# Altium PCB Minion.PcbDoc (part 8 of 10) (continued)
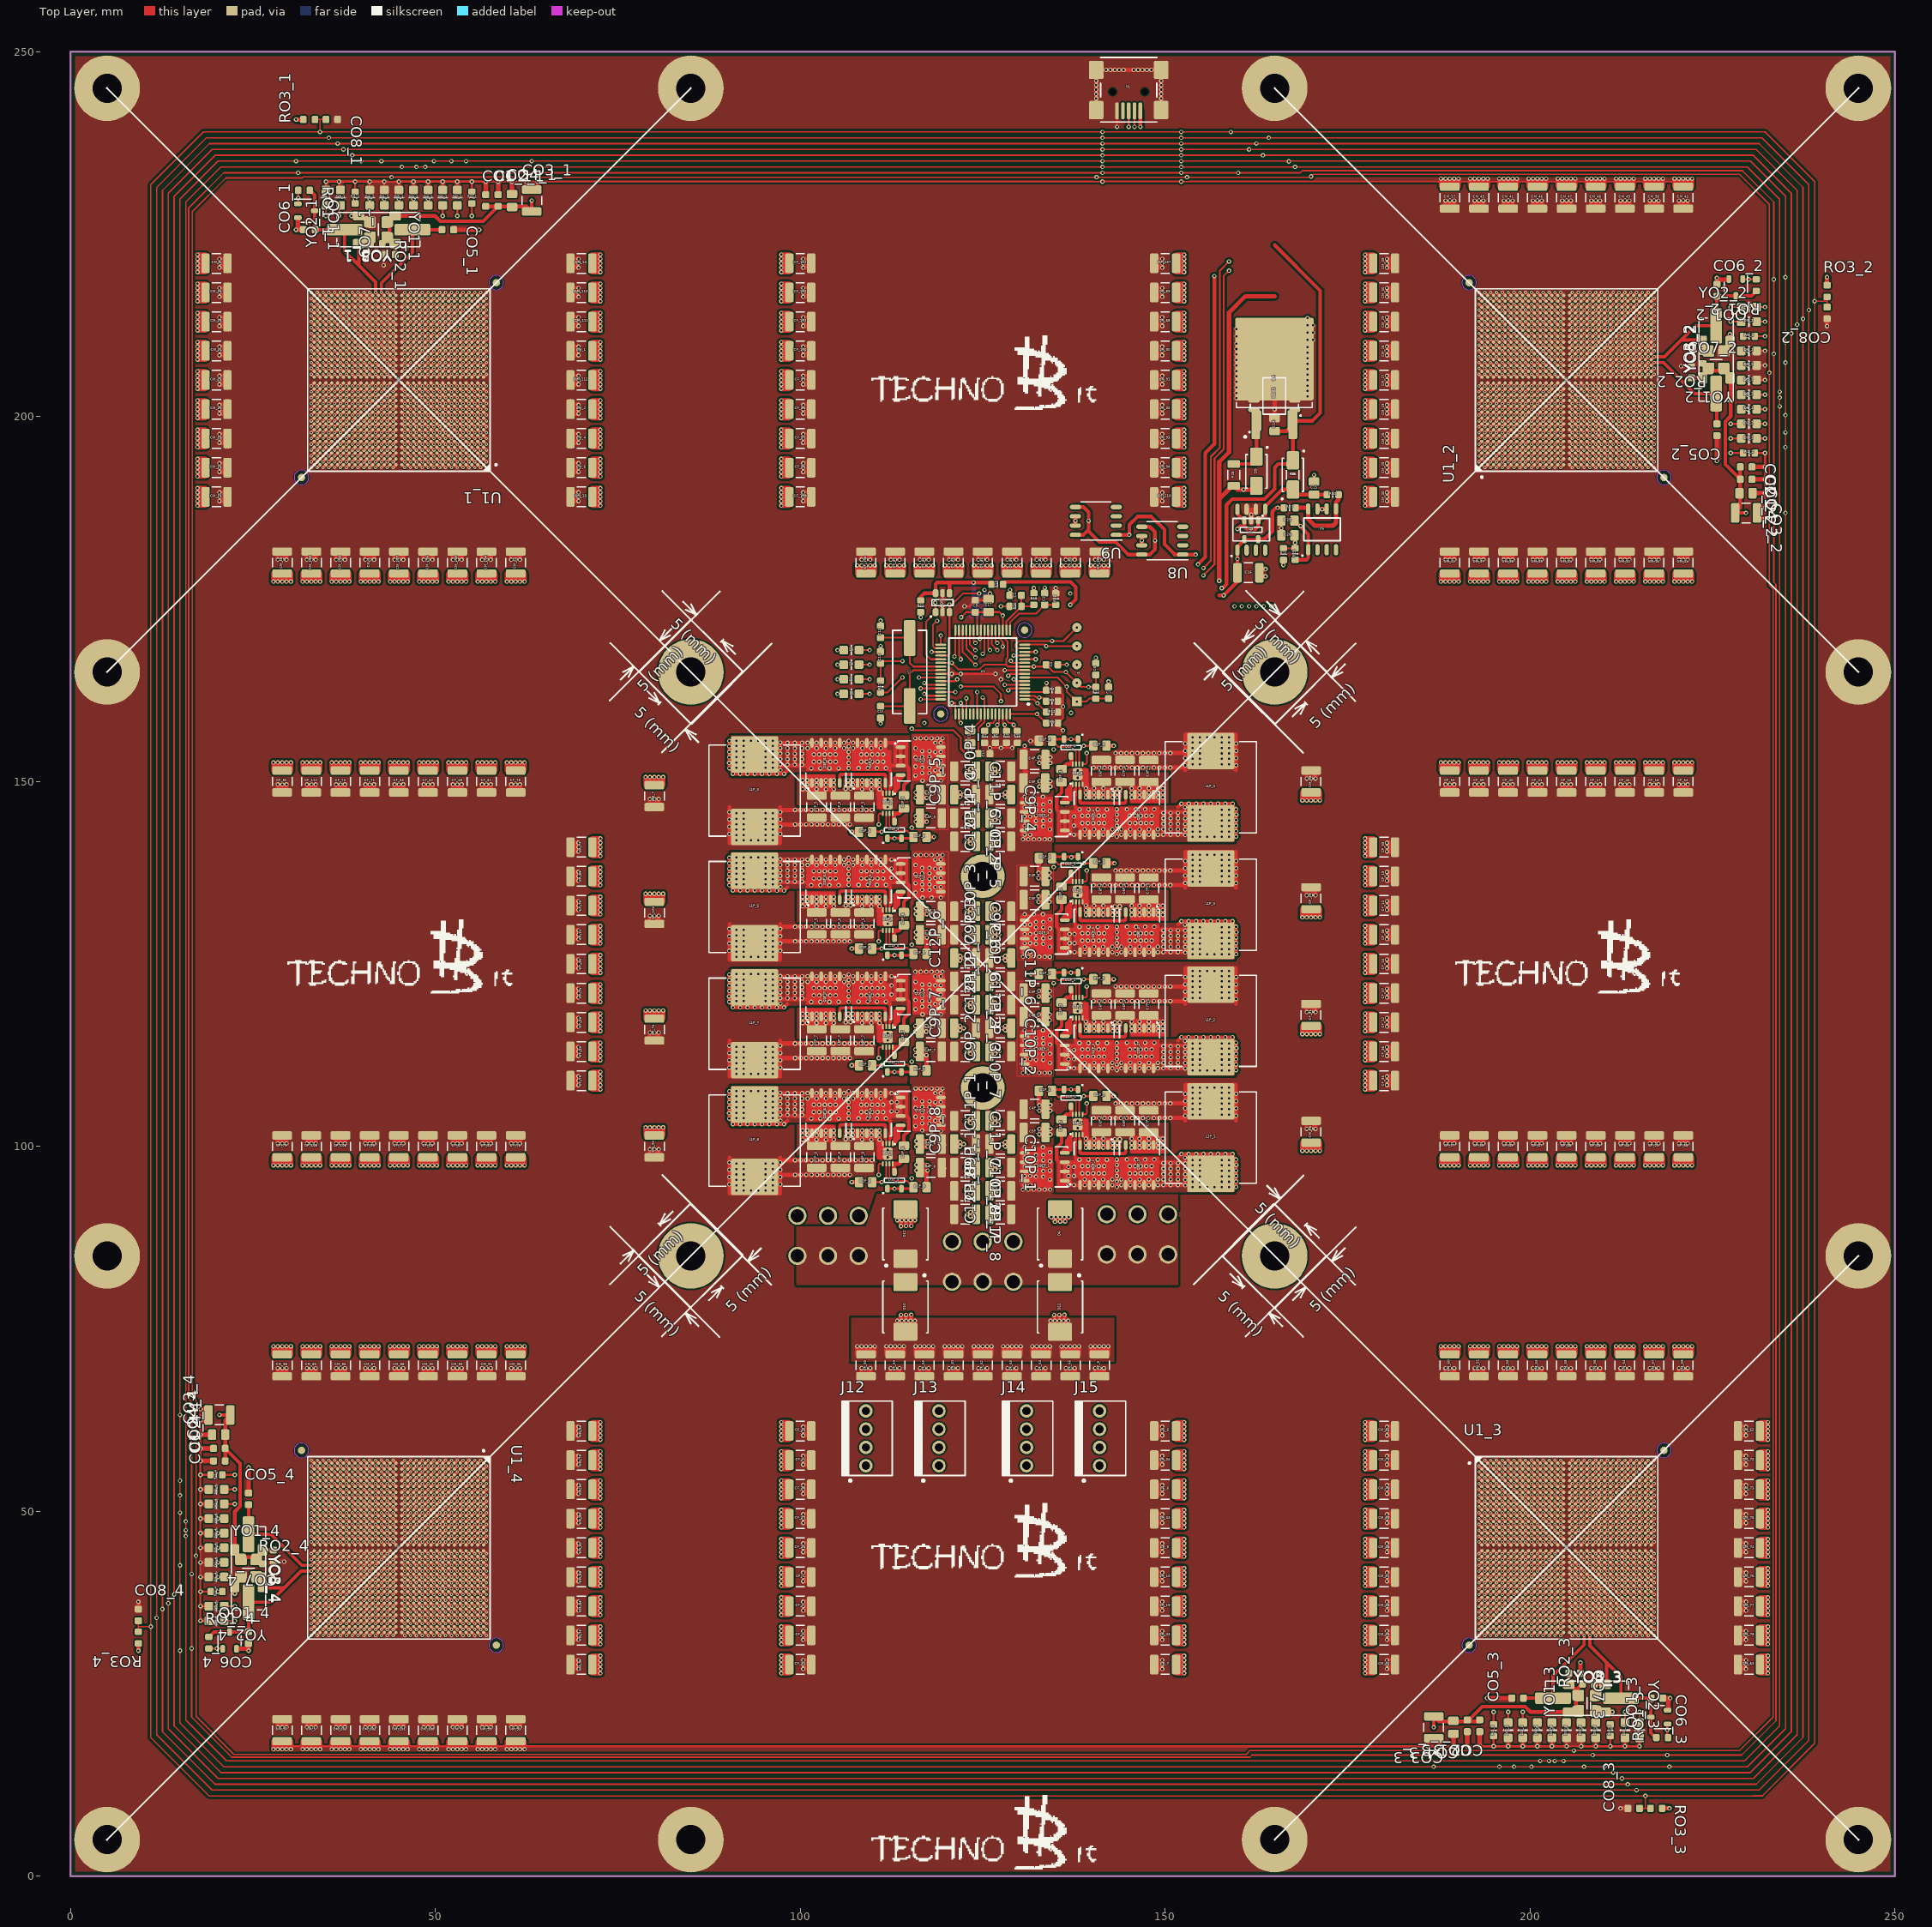
[diagram p0: Top Layer view]
## Nets (pads, with @x,y where several pads share a name; then routed paths per layer and width w, separated by ;. In a path a pad name is that pad's centre, name@x,y a point inside that pad or via, vN(x,y) a via of type N, cw(c..) or ccw(c..) an arc to the next point about the centre after c; other vN are vias at no path point) (continued)
GREEN: D2.2 U1.47 | length 12.6
  Top Layer w0.25: D2.2@108.05,164 v1(109.5,164) ; v1(117,162) 117.25,161.75 U1.47@119.25,161.75
  Mid-Top Layer w0.25: v1(109.5,164) 109.5,163.25 110.75,162 v1(117,162)
HO1: Q1P_1.4 U1P_1.1 | length 1.9
  Top Layer w0.25: 137,100.9 137,101 137.325,101.325 U1P_1.1@137.325,101.6
  Top Layer w0.45: 137,99.855 137,100.45 137,100.9
HO2: Q1P_2.4 U1P_2.1 | length 2.9
  Top Layer w0.45: Q1P_2.4@136.118,115.08 136.118,115.568 137,116.45 ; 137,116.25 137,117.4
HO3: Q1P_3.4 U1P_3.1 | length 2.9
  Top Layer w0.45: Q1P_3.4@136.118,130.98 136.118,131.468 137,132.35 ; 137,132.15 137,133.3
HO4: Q1P_4.4 U1P_4.1 | length 2.9
  Top Layer w0.45: Q1P_4.4@136.118,147.08 136.118,147.568 137,148.45 ; 137,148.25 137,149.4
HO5: Q1P_5.4 U1P_5.1 | length 1.9
  Top Layer w0.25: U1P_5.1@112.675,148.4 112.675,148.675 113,149 113,149.1
  Top Layer w0.45: 113,149.1 113,149.55 113,150.145
HO6: Q1P_6.4 U1P_6.1 | length 2.9
  Top Layer w0.45: 113,132.6 113,133.75 ; 113,133.55 113.882,134.432 Q1P_6.4@113.882,134.92
HO7: Q1P_7.4 U1P_7.1 | length 1.9
  Top Layer w0.25: U1P_7.1@112.675,116.4 112.675,116.675 113,117 113,117.1
  Top Layer w0.45: 113,117.1 113,117.55 113,118.145
HO8: Q1P_8.4 U1P_8.1 | length 2.9
  Top Layer w0.45: 113,100.6 113,101.75 ; 113,101.55 113.882,102.432 Q1P_8.4@113.882,102.92
INT_OUT1: DI4_1.2 U1_1.AK24 | length 13.1
  Top Layer w0.25: v1(35,227.5) DI4_1.2@35,228.95
  Mid-Bottom Layer w0.25: v1(35,227.5) 35,219.8 v2(37.8,217)
INT_OUT2: DI4_2.2 U1_2.AK24 | length 24.8
  Top Layer w0.25: v1(227.5,215) DI4_2.2@228.95,215
  Mid-Bottom Layer w0.25: 219.8,215 v2(217,212.2) 219.8,215 ; 219.8,215 v1(227.5,215) 219.8,215
INT_OUT3: DI4_3.2 U1_3.AK24 | length 24.8
  Top Layer w0.25: DI4_3.2@215,21.05 v1(215,22.5)
  Mid-Bottom Layer w0.25: 215,30.2 v2(212.2,33) 215,30.2 ; 215,30.2 v1(215,22.5) 215,30.2
INT_OUT4: DI4_4.2 U1_4.AK24 | length 24.8
  Top Layer w0.25: DI4_4.2@21.05,35 v1(22.5,35)
  Mid-Bottom Layer w0.25: 30.2,35 v1(22.5,35) 30.2,35 ; 30.2,35 v2(33,37.8) 30.2,35
LDO3.3V-5.0V: R27.2 R30.1 U6.5 U6.8 | length 11.5
  Top Layer w0.6: R27.2@167.862,187.5 169.445,187.5 U6.8@169.595,187.35 169.595,185.955 170.5,185.05 173,185.05 173.405,185.455 U6.5@173.405,187.35 173.405,188.255 173.762,188.612 R30.1@173.762,189.3
LDO5.0V: C15.1 D7.2 D8.1 R25.1 R26.2 R30.2 U3.1 U3.3 U7.5 U7.8 U8.5 U8.8 U9.5 U9.8 | length 99.2
  Top Layer w0.5: R25.1@127.8,177 128.15,177.35 137.05,177.35 137.75,176.65 137.75,174.95 v1(137,174.2) ; U9.8@137.7,183.795 138.795,183.795 139.5,184.5 v1(139.5,185.698) 139.5,186.895 138.79,187.605 U9.5@137.7,187.605 ; 139.4,184.4 141,182.8 143.2,182.8 144.905,181.095 U8.8@146.8,181.095 147.895,181.095 148.6,181.8 v1(148.6,182.997) 148.6,184.195 147.89,184.905 U8.5@146.8,184.905 ; v1(159.9,184.6) 160.245,184.945 160.855,184.945 ; U7.8@159.9,187.2 159.9,186.655 160.855,185.7 160.855,184.945 ; 163.71,186.419 163.71,187.71 166,190 D8.1@167.5,190 168.2,189.3 R30.2@172.162,189.3 ; U7.5@163.71,186.655 162.755,185.7 162.755,184.98 162.3,184.525 161.275,184.525 160.855,184.945
  Mid-Bottom Layer w0.5: v1(137,174.2) 158.2,174.2 159.9,175.9 159.9,178.075 160.8,178.975 160.8,181.525 159.9,182.425 v1(159.9,184.6) 150.202,184.6 v1(148.6,182.997)
LED_BUSY1: DI5_1.2 U1_1.AK8 | length 16.3
  Top Layer w0.25: DI5_1.2@45,228.95 v1(45,229.8)
  Mid-Bottom Layer w0.1: 51.1,217.9 51.4,217.6 51.4,217.37 ; 51.398,217.378 51.398,217.372 51.4,217.37 ; v2(51.4,217) 51.4,217.37
  Mid-Bottom Layer w0.25: v1(45,229.8) 45,224 51.1,217.9
LED_BUSY2: DI5_2.2 U1_2.AK8 | length 29.5
  Top Layer w0.25: DI5_2.2@228.95,205 v1(229.8,205)
  Mid-Bottom Layer w0.1: 217.37,198.6 217.6,198.6 ; 217.37,198.6 217.372,198.602 ; 217.37,198.6 v2(217,198.6) 217.37,198.6 ; 217.37,198.6 217.6,198.6 ; 217.37,198.6 217.372,198.602 ; 217.372,198.602 217.378,198.602 217.372,198.602 ; 217.6,198.6 217.9,198.9 217.6,198.6
  Mid-Bottom Layer w0.25: 227.5,205 224,205 ; v1(229.8,205) 224,205 ; 224,205 217.9,198.9 224,205
LED_BUSY3: DI5_3.2 U1_3.AK8 | length 29.5
  Top Layer w0.25: v1(205,20.2) DI5_3.2@205,21.05
  Mid-Bottom Layer w0.1: 198.6,32.4 198.9,32.1 198.6,32.4 ; 198.6,32.4 198.6,32.63 ; 198.6,32.4 198.6,32.63 ; 198.6,32.63 198.602,32.628 ; 198.6,32.63 v2(198.6,33) 198.6,32.63 ; 198.6,32.63 198.602,32.628 ; 198.602,32.628 198.602,32.622 198.602,32.628
  Mid-Bottom Layer w0.25: v1(205,20.2) 205,26 ; 205,22.5 205,26 ; 205,26 198.9,32.1 205,26
LED_BUSY4: DI5_4.2 U1_4.AK8 | length 29.5
  Top Layer w0.25: v1(20.2,45) DI5_4.2@21.05,45
  Mid-Bottom Layer w0.1: 32.4,51.4 32.63,51.4 ; 32.4,51.4 32.1,51.1 32.4,51.4 ; 32.4,51.4 32.63,51.4 ; 32.628,51.398 32.63,51.4 ; 32.628,51.398 32.622,51.398 32.628,51.398 ; 32.628,51.398 32.63,51.4 ; 32.63,51.4 v2(33,51.4) 32.63,51.4
  Mid-Bottom Layer w0.25: v1(20.2,45) 26,45 ; 22.5,45 26,45 ; 26,45 32.1,51.1 26,45
LED_CLK1: DI7_1.2 U1_1.AK5 | length 12.3
  Top Layer w0.25: v1(53,227.5) DI7_1.2@53,228.95
  Mid-Bottom Layer w0.2: v2(53.8,217) 53.8,218.2
  Mid-Bottom Layer w0.25: v1(53,227.5) 53,219 53.8,218.2
LED_CLK2: DI7_2.2 U1_2.AK5 | length 23.1
  Top Layer w0.25: v1(227.5,197) DI7_2.2@228.95,197
  Mid-Bottom Layer w0.2: v2(217,196.2) 218.2,196.2 v2(217,196.2)
  Mid-Bottom Layer w0.25: 219,197 218.2,196.2 219,197 ; 219,197 v1(227.5,197) 219,197
LED_CLK3: DI7_3.2 U1_3.AK5 | length 23.1
  Top Layer w0.25: DI7_3.2@197,21.05 v1(197,22.5)
  Mid-Bottom Layer w0.2: 196.2,31.8 v2(196.2,33) 196.2,31.8
  Mid-Bottom Layer w0.25: 197,31 196.2,31.8 197,31 ; 197,31 v1(197,22.5) 197,31
LED_CLK4: DI7_4.2 U1_4.AK5 | length 23.1
  Top Layer w0.25: DI7_4.2@21.05,53 v1(22.5,53)
  Mid-Bottom Layer w0.2: 31.8,53.8 v2(33,53.8) 31.8,53.8
  Mid-Bottom Layer w0.25: 31,53 v1(22.5,53) 31,53 ; 31,53 31.8,53.8 31,53
LED_HOT1: DI3_1.2 U1_1.AJ7 | length 16.6
  Top Layer w0.25: DI3_1.2@47,228.95 v1(47,229.8)
  Mid-Bottom Layer w0.1: 51.3,218.37 51.8,217.87 51.8,216.6 v2(52.2,216.2)
  Mid-Bottom Layer w0.25: v1(47,229.8) 47,222.67 51.3,218.37
LED_HOT2: DI3_2.2 U1_2.AJ7 | length 30.1
  Top Layer w0.25: DI3_2.2@228.95,203 v1(229.8,203)
  Mid-Bottom Layer w0.1: 216.6,198.2 217.87,198.2 ; 216.6,198.2 v2(216.2,197.8) 216.6,198.2 ; 216.6,198.2 217.87,198.2 ; 217.87,198.2 218.37,198.7 217.87,198.2
  Mid-Bottom Layer w0.25: 227.5,203 222.67,203 ; v1(229.8,203) 222.67,203 ; 222.67,203 218.37,198.7 222.67,203
LED_HOT3: DI3_3.2 U1_3.AJ7 | length 30.1
  Top Layer w0.25: v1(203,20.2) DI3_3.2@203,21.05
  Mid-Bottom Layer w0.1: 198.2,32.13 198.2,33.4 ; 198.2,32.13 198.7,31.63 198.2,32.13 ; 198.2,32.13 198.2,33.4 ; 198.2,33.4 v2(197.8,33.8) 198.2,33.4
  Mid-Bottom Layer w0.25: v1(203,20.2) 203,27.33 ; 203,22.5 203,27.33 ; 203,27.33 198.7,31.63 203,27.33
LED_HOT4: DI3_4.2 U1_4.AJ7 | length 30.1
  Top Layer w0.25: v1(20.2,47) DI3_4.2@21.05,47
  Mid-Bottom Layer w0.1: 32.13,51.8 31.63,51.3 32.13,51.8 ; 32.13,51.8 33.4,51.8 ; 32.13,51.8 33.4,51.8 ; 33.4,51.8 v2(33.8,52.2) 33.4,51.8
  Mid-Bottom Layer w0.25: v1(20.2,47) 27.33,47 ; 22.5,47 27.33,47 ; 27.33,47 31.63,51.3 27.33,47
LED_IDLE1: DI1_1.2 U1_1.AJ8 | length 17.9
  Top Layer w0.25: DI1_1.2@43,228.95 v1(43,229.8)
  Mid-Bottom Layer w0.1: 50.6,217.7 51,217.3 51,216.6 v2(51.4,216.2)
  Mid-Bottom Layer w0.25: v1(43,229.8) 43,225.3 50.6,217.7
LED_IDLE2: DI1_2.2 U1_2.AJ8 | length 32.7
  Top Layer w0.25: DI1_2.2@228.95,207 v1(229.8,207)
  Mid-Bottom Layer w0.1: 216.6,199 217.3,199 ; 216.6,199 v2(216.2,198.6) 216.6,199 ; 216.6,199 217.3,199 ; 217.3,199 217.7,199.4 217.3,199
  Mid-Bottom Layer w0.25: 227.5,207 225.3,207 ; v1(229.8,207) 225.3,207 ; 225.3,207 217.7,199.4 225.3,207
LED_IDLE3: DI1_3.2 U1_3.AJ8 | length 32.7
  Top Layer w0.25: v1(207,20.2) DI1_3.2@207,21.05
  Mid-Bottom Layer w0.1: 199,32.7 199.4,32.3 199,32.7 ; 199,32.7 199,33.4 ; 199,32.7 199,33.4 ; 199,33.4 v2(198.6,33.8) 199,33.4
  Mid-Bottom Layer w0.25: v1(207,20.2) 207,24.7 ; 207,22.5 207,24.7 ; 207,24.7 199.4,32.3 207,24.7
LED_IDLE4: DI1_4.2 U1_4.AJ8 | length 32.7
  Top Layer w0.25: v1(20.2,43) DI1_4.2@21.05,43
  Mid-Bottom Layer w0.1: 32.7,51 33.4,51 ; 32.7,51 32.3,50.6 32.7,51 ; 32.7,51 33.4,51 ; 33.4,51 v2(33.8,51.4) 33.4,51
  Mid-Bottom Layer w0.25: v1(20.2,43) 24.7,43 ; 22.5,43 24.7,43 ; 24.7,43 32.3,50.6 24.7,43
LED_NONCE1: DI8_1.2 U1_1.AK7 | length 15
  Top Layer w0.25: DI8_1.2@49,228.95 v1(49,229.8)
  Mid-Bottom Layer w0.25: v1(49,229.8) 49,221.47 52.2,218.27 v2(52.2,217)
LED_NONCE2: DI8_2.2 U1_2.AK7 | length 26.8
  Top Layer w0.25: DI8_2.2@228.95,201 v1(229.8,201)
  Mid-Bottom Layer w0.25: 227.5,201 221.47,201 ; v1(229.8,201) 221.47,201 ; 218.27,197.8 v2(217,197.8) 218.27,197.8 ; 218.27,197.8 221.47,201 ; 218.27,197.8 221.47,201
LED_NONCE3: DI8_3.2 U1_3.AK7 | length 26.8
  Top Layer w0.25: v1(201,20.2) DI8_3.2@201,21.05
  Mid-Bottom Layer w0.25: v1(201,20.2) 201,28.53 ; 201,22.5 201,28.53 ; 197.8,31.73 v2(197.8,33) 197.8,31.73 ; 197.8,31.73 201,28.53 ; 197.8,31.73 201,28.53
LED_NONCE4: DI8_4.2 U1_4.AK7 | length 26.8
  Top Layer w0.25: v1(20.2,49) DI8_4.2@21.05,49
  Mid-Bottom Layer w0.25: v1(20.2,49) 28.53,49 ; 22.5,49 28.53,49 ; 28.53,49 31.73,52.2 ; 28.53,49 31.73,52.2 ; 31.73,52.2 v2(33,52.2) 31.73,52.2
LED_POWER1: DI6_1.2 U1_1.AK9 | length 17.6
  Top Layer w0.25: DI6_1.2@41,228.95 v1(41,229.8)
  Mid-Bottom Layer w0.2: v1(41,229.8) 41,226.6 v2(50.6,217)
LED_POWER2: DI6_2.2 U1_2.AK9 | length 32.1
  Top Layer w0.25: DI6_2.2@228.95,209 v1(229.8,209)
  Mid-Bottom Layer w0.2: 227.5,209 226.6,209 ; v1(229.8,209) 226.6,209 ; 226.6,209 v2(217,199.4) 226.6,209
LED_POWER3: DI6_3.2 U1_3.AK9 | length 17.9
  Top Layer w0.25: v1(209,20.2) DI6_3.2@209,21.05
  Mid-Bottom Layer w0.2: v2(199.4,33) 209,23.4 209,20.4 208.8,20.2 v1(209,20.2)
LED_POWER4: DI6_4.2 U1_4.AK9 | length 31.2
  Top Layer w0.25: v1(20.2,41) DI6_4.2@21.05,41
  Mid-Bottom Layer w0.2: v1(20.2,41) 23.4,41 ; 23.4,41 v2(33,50.6) 23.4,41
LED_SPI1: DI2_1.2 U1_1.AJ5 | length 13.9
  Top Layer w0.25: v1(51,227.5) DI2_1.2@51,228.95
  Mid-Bottom Layer w0.1: 53.2,218 53.4,217.8 53.4,216.6 v2(53.8,216.2)
  Mid-Bottom Layer w0.25: v1(51,227.5) 51,220.2 53.2,218
LED_SPI2: DI2_2.2 U1_2.AJ5 | length 26.4
  Top Layer w0.25: v1(227.5,199) DI2_2.2@228.95,199
  Mid-Bottom Layer w0.1: 216.6,196.6 217.8,196.6 ; 216.6,196.6 v2(216.2,196.2) 216.6,196.6 ; 216.6,196.6 217.8,196.6 ; 217.8,196.6 218,196.8 217.8,196.6
  Mid-Bottom Layer w0.25: 220.2,199 218,196.8 220.2,199 ; 220.2,199 v1(227.5,199) 220.2,199
LED_SPI3: DI2_3.2 U1_3.AJ5 | length 26.4
  Top Layer w0.25: DI2_3.2@199,21.05 v1(199,22.5)
  Mid-Bottom Layer w0.1: 196.6,32.2 196.6,33.4 ; 196.6,32.2 196.8,32 196.6,32.2 ; 196.6,32.2 196.6,33.4 ; 196.6,33.4 v2(196.2,33.8) 196.6,33.4
  Mid-Bottom Layer w0.25: 199,29.8 196.8,32 199,29.8 ; 199,29.8 v1(199,22.5) 199,29.8
LED_SPI4: DI2_4.2 U1_4.AJ5 | length 26.4
  Top Layer w0.25: DI2_4.2@21.05,51 v1(22.5,51)
  Mid-Bottom Layer w0.1: 32.2,53.4 32,53.2 32.2,53.4 ; 32.2,53.4 33.4,53.4 ; 32.2,53.4 33.4,53.4 ; 33.4,53.4 v2(33.8,53.8) 33.4,53.4
  Mid-Bottom Layer w0.25: 29.8,51 v1(22.5,51) 29.8,51 ; 29.8,51 32,53.2 29.8,51
LM12V: D9.1 R28.1 U2.8 U4.1 U5.1 | length 8.6
  Top Layer w0.25: D9.1@162.4,193.5 D9.1@162.9,194
  Top Layer w0.5: R28.1@159.4,193.5 D9.1@162.4,193.5 ; U4.1@162.42,198.875 162.5,198.795 D9.1@162.5,194
LO1: Q2P_1.4 Q3P_1.4 U1P_1.3 | length 9.9
  Top Layer w0.25: U1P_1.3@138.225,101.6 138.225,100.326 Q2P_1.4@138.35,100.2
  Top Layer w0.45: Q2P_1.4@138.35,100.2 138.35,99.138 138.463,99.025 144.475,99.025 144.595,99.145 Q3P_1.4@144.595,100.15
LO2: Q2P_2.4 Q3P_2.4 U1P_2.3 | length 9.7
  Top Layer w0.25: Q2P_2.4@138.225,116.351 U1P_2.3@138.225,117.625
  Top Layer w0.45: Q2P_2.4@138.35,116.2 138.35,115.138 138.463,115.025 144.475,115.025 144.595,115.145 Q3P_2.4@144.595,116.15
LO3: Q2P_3.4 Q3P_3.4 U1P_3.3 | length 9.7
  Top Layer w0.25: Q2P_3.4@138.225,132.251 U1P_3.3@138.225,133.525
  Top Layer w0.45: Q2P_3.4@138.35,132.1 138.35,131.038 138.463,130.925 144.475,130.925 144.595,131.045 Q3P_3.4@144.595,132.05
LO4: Q2P_4.4 Q3P_4.4 U1P_4.3 | length 9.9
  Top Layer w0.25: U1P_4.3@138.225,149.6 138.225,148.326 Q2P_4.4@138.35,148.2
  Top Layer w0.45: Q2P_4.4@138.35,148.2 138.351,147.138 138.463,147.025 144.475,147.025 144.595,147.145 Q3P_4.4@144.595,148.15
LO5: Q2P_5.4 Q3P_5.4 U1P_5.3 | length 9.9
  Top Layer w0.25: Q2P_5.4@111.65,149.8 111.775,149.675 U1P_5.3@111.775,148.4
  Top Layer w0.45: Q3P_5.4@105.405,149.85 105.405,150.855 105.525,150.975 111.537,150.975 111.65,150.862 Q2P_5.4@111.65,149.8
LO6: Q2P_6.4 Q3P_6.4 U1P_6.3 | length 9.7
  Top Layer w0.25: U1P_6.3@111.775,132.375 Q2P_6.4@111.775,133.65
  Top Layer w0.45: Q3P_6.4@105.405,133.85 105.405,134.855 105.525,134.975 111.537,134.975 111.65,134.862 Q2P_6.4@111.65,133.8
LO7: Q2P_7.4 Q3P_7.4 U1P_7.3 | length 9.9
  Top Layer w0.25: Q2P_7.4@111.65,117.8 111.775,117.675 U1P_7.3@111.775,116.4
  Top Layer w0.45: Q3P_7.4@105.405,117.85 105.405,118.855 105.525,118.975 111.537,118.975 111.65,118.862 Q2P_7.4@111.65,117.8
LO8: Q2P_8.4 Q3P_8.4 U1P_8.3 | length 9.9
  Top Layer w0.25: Q2P_8.4@111.65,101.8 111.775,101.675 U1P_8.3@111.775,100.4
  Top Layer w0.45: Q3P_8.4@105.405,101.85 105.405,102.855 105.525,102.975 111.537,102.975 111.65,102.862 Q2P_8.4@111.65,101.8
"MAIN OSC IN": C12.1 U1.39 Y1.1 | length 11.9
  Top Layer w0.25: C12.1@111,169.7 114.95,169.7 Y1.1@115,169.65 115,166.25 115.5,165.75 U1.39@119.25,165.75
"MAIN OSC OUT": C13.1 U1.40 Y1.2 | length 12.9
  Top Layer w0.25: C13.1@111,160.3 114.95,160.3 Y1.2@115,160.35 115,164.75 115.5,165.25 U1.40@119.25,165.25
MCLR: C7.1 J1.1 R22.1 U1.7 | length 13.4
  Top Layer w0.254: U1.7@130.75,164.25 135.25,164.25 v1(136.5,163) 136.5,162.35 v1(137.9,160.95) 139.2,160.95 139.6,161.35 C7.1@142.25,161.35
MCU5.0V: R23.2 U1.34 | length 8
  Top Layer w0.25: v1(116.5,172.5) R23.2@116.5,173.2 ; v1(118.75,172) 118.175,171.425 118.175,168.553 118.478,168.25 U1.34@119.25,168.25
  Mid-Top Layer w0.25: v1(116.5,172.5) 117,172 v1(118.75,172)
MEAS12: C2.1 R15.2 R16.2 U1.18 | length 7.4
  Top Layer w0.25: U1.18@128.25,170.75 128.25,171.95 R16.2@130.3,174 ; C2.1@130.3,175.5 R16.2@130.3,174 ; R15.2@132,174.2 131.8,174 R16.2@130.3,174
ORANGE: D4.2 U1.45 | length 13.3
  Top Layer w0.25: D4.2@108.05,166 v1(109.5,166) ; v1(116.5,162.75) 117.25,162.75 U1.45@119.25,162.75
  Mid-Top Layer w0.25: v1(109.5,166) 110.275,165.225 110.275,164 111.525,162.75 v1(116.5,162.75)
PGC: J1.5 U1.15 | length 11
  Top Layer w0.25: U1.15@130.75,168.25 129.75,168.25 129.5,168.5 129.5,168.772 129.978,169.25 136.05,169.25 v1(137.9,171.1)
  other v1: 134.5,169.25
PGD: J1.4 U1.16 | length 7.2
  Top Layer w0.25: U1.16@130.75,168.75 133.5,168.75 v1(133.7,168.55) v1(137.9,168.55)
POR_IOVSEL1: RI1_1.1 U1_1.AJ13 | length 17.8
  Top Layer w0.25: RI1_1.1@39,229.2 v1(39,229.8)
  Mid-Bottom Layer w0.1: 47,217.8 47,216.6 v2(47.4,216.2)
  Mid-Bottom Layer w0.25: v1(39,229.8) 39.125,229.675 39.125,227.241 39,227.116 39,225.8 47,217.8
POR_IOVSEL2: RI1_2.1 U1_2.AJ13 | length 29.9
  Top Layer w0.25: RI1_2.1@229.2,211 v1(229.8,211)
  Mid-Bottom Layer w0.1: 216.6,203 217.8,203 216.6,203 ; 216.6,203 v2(216.2,202.6) 216.6,203
  Mid-Bottom Layer w0.25: v1(229.8,211) 229.2,210.4 225.2,210.4 ; 225.2,210.4 217.8,203 225.2,210.4
POR_IOVSEL3: RI1_3.1 U1_3.AJ13 | length 19.4
  Top Layer w0.25: v1(211,20.2) RI1_3.1@211,20.8
  Mid-Bottom Layer w0.1: 203,33.4 203,32.2 203,33.4 ; 203,33.4 v2(202.6,33.8) 203,33.4
  Mid-Bottom Layer w0.25: 203,32.2 209.925,25.275 209.925,21.275 v1(211,20.2)
POR_IOVSEL4: RI1_4.1 U1_4.AJ13 | length 19.4
  Top Layer w0.25: v1(20.2,39) RI1_4.1@20.8,39
  Mid-Bottom Layer w0.1: 33.4,47 v2(33.8,47.4) 33.4,47 ; 33.4,47 32.2,47 33.4,47
  Mid-Bottom Layer w0.25: v1(20.2,39) 21.3,39 22.1,39.8 25,39.8 32.2,47
PWM1: J12.1
PWM1H: R1.1 U1.61 U1P_6.5 | length 54.8
  Top Layer w0.25: v1(110.75,128.1) 110.75,127.963 110.737,127.95 110.737,129.462 110.875,129.6 U1P_6.5@111.3,129.6 ; R1.1@126.75,156.9 127,157.15 v1(127,157.75) 127.25,158 U1.61@127.25,159.25
  Mid-Top Layer w0.25: v1(110.75,128.1) 112.775,128.1 113.25,128.575 113.25,140.05 111.45,141.85 111.45,142.436 113.25,144.236 113.25,158.7 114.425,159.875 117.225,159.875 118.425,158.675 122.375,158.675 123.975,157.075 126.325,157.075 v1(127,157.75)
PWM1L: R2.1 U1.60 U1P_5.5 | length 36.3
  Top Layer w0.25: v1(110.75,144.1) 110.75,143.963 110.737,143.95 110.737,145.462 110.875,145.6 U1P_5.5@111.3,145.6 ; R2.1@125.25,156.9 125.625,157.275 125.625,157.625 v1(125.75,157.75) 126.025,158.025 126.375,158.025 126.75,158.4 U1.60@126.75,159.25
  Mid-Top Layer w0.25: v1(110.75,144.1) 111.7,144.1 112.8,145.2 112.8,158.886 114.289,160.375 117.45,160.375 118.6,159.225 122.625,159.225 124.1,157.75 v1(125.75,157.75)
PWM2: J13.1
PWM2H: R10.1 U1.63 U1P_8.5 | length 91.7
  Top Layer w0.25: v1(110.75,96.1) 110.75,95.963 110.737,95.95 110.737,97.462 110.875,97.6 U1P_8.5@111.3,97.6 ; U1.63@128.25,159.25 128.25,158.4 128.625,158.025 128.975,158.025 v1(129.25,157.75) 129.375,157.625 129.375,157.275 R10.1@129.75,156.9
  Mid-Top Layer w0.25: v1(110.75,96.1) 110.35,95.7 110.35,94.7 111.725,93.325 113.5,93.325 114.625,94.45 114.63,157.625 114.98,157.975 115.85,157.975 117.175,156.65 123.014,156.65 123.489,156.175 127.675,156.175 v1(129.25,157.75)
PWM2L: R11.1 U1.62 U1P_7.5 | length 71.7
  Top Layer w0.25: v1(110.75,112.1) 110.75,111.963 110.737,111.95 110.737,113.462 110.875,113.6 U1P_7.5@111.3,113.6 ; U1.62@127.75,159.25 127.75,158 v1(128,157.75) 128,157.15 R11.1@128.25,156.9
  Mid-Top Layer w0.25: v1(110.75,112.1) 111.575,112.1 113.725,114.25 113.725,124.4 112.125,126 112.125,126.525 113.7,128.1 113.7,140.45 112.225,141.925 112.225,142.5 113.7,143.975 113.7,158.4 114.65,159.35 116.825,159.35 119.05,157.125 123.175,157.125 123.675,156.625 126.875,156.625 v1(128,157.75)
PWM3: J14.1
PWM3H: R12.2 U1.1 U1P_2.5 | length 50.8
  Top Layer w0.25: U1.1@130.75,161.25 131.95,161.25 v1(132.5,160.7) R12.2@133.7,159.5 ; U1P_2.5@138.7,120.4 139.125,120.4 139.263,120.538 139.263,122.05 139.25,122.037 v1(139.25,121.9)
  Mid-Top Layer w0.25: v1(132.5,160.7) 133.289,160.7 137.775,156.214 137.775,155.35 136.276,153.85 136.25,153.85 136.25,141.4 137.825,139.825 137.825,139.175 136.25,137.6 136.25,125.85 138.05,124.05 138.05,122.816 138.966,121.9 v1(139.25,121.9)
PWM3L: R9.1 U1.64 U1P_1.5 | length 65.1
  Top Layer w0.25: U1.64@128.75,159.25 v1(132.45,159.25) R9.1@133.7,158 ; U1P_1.5@138.7,104.4 139.125,104.4 139.263,104.538 139.263,106.05 139.25,106.037 v1(139.25,105.9)
  Mid-Top Layer w0.25: v1(132.45,159.25) 135.35,156.35 135.35,107.725 137.175,105.9 v1(139.25,105.9)
PWM4: J15.1
PWM4H: R4.2 U1.3 U1P_4.5 | length 18.7
  Top Layer w0.25: U1.3@130.75,162.25 133.45,162.25 R4.2@133.7,162.5 133.75,162.55 v1(133.75,163.5) ; U1P_4.5@138.7,152.4 139.125,152.4 139.263,152.538 139.263,154.05 139.25,154.037 v1(139.25,153.9)
  Mid-Top Layer w0.25: v1(133.75,163.5) 133.75,161.525 139.775,155.5 139.775,154.425 v1(139.25,153.9)
PWM4L: R3.2 U1.2 U1P_3.5 | length 34.1
  Top Layer w0.25: U1.2@130.75,161.75 130.775,161.725 132.111,161.725 132.336,161.5 133.2,161.5 R3.2@133.7,161 ; U1P_3.5@138.7,136.3 139.125,136.3 139.263,136.438 139.263,137.95 139.25,137.937 v1(139.25,137.8)
  Mid-Top Layer w0.25: v1(132.75,161.5) 133.125,161.5 138.225,156.4 138.225,154.95 136.7,153.425 136.7,141.7 138.175,140.225 138.8,140.225 139.625,139.4 139.625,138.175 v1(139.25,137.8)
RED: D1.2 U1.48 | length 11.5
  Top Layer w0.25: D1.2@108.05,162 v1(109.5,162) ; v1(116.5,161.25) 117.9,161.25 U1.48@119.25,161.25
  Mid-Top Layer w0.25: v1(109.5,162) 110.25,161.25 v1(116.5,161.25)
REPORT_N: U1.51 | length 1.6
  Top Layer w0.25: v1(122,160.75) 122.25,160.5 U1.51@122.25,159.25
REPORT_P: U1.50 | length 1.4
  Top Layer w0.25: U1.50@121.75,159.25 121.75,158.25 v1(122,158)
RESET_ASIC: CO8_1.1 CO8_2.1 CO8_3.1 CO8_4.1 RO3_1.1 RO3_2.1 RO3_3.1 RO3_4.1 U1.43 U1_1.AK28 U1_2.AK28 U1_3.AK28 U1_4.AK28 | length 1154.7
  Top Layer w0.2: RO3_4.1@9.3,33.5 9.3,34.2 ; CO8_4.1@9.3,35 9.3,34.2 ; RO3_1.1@33.5,240.7 34.2,240.7 ; CO8_1.1@35,240.7 34.2,240.7 ; CO8_3.1@215,9.3 215.8,9.3 ; RO3_3.1@216.5,9.3 215.8,9.3 ; 230.6,11.025 231.825,11.025 239,18.2 239,232.2 232.2,239 v1(141.4,239) v1(34.2,239) ; 231.825,11 v1(215.8,11) ; v1(239,215.8) 240.7,215.8 ; CO8_2.1@240.7,215 240.7,215.8 ; RO3_2.1@240.7,216.5 240.7,215.8 ; 9.3,34.2 v1(11,34.2) ; v1(11,34.2) 11,19 19,11 v1(215.8,11) ; v1(11,34.2) 11,231.8 18.2,239 v1(34.2,239) ; v1(34.2,239) 34.2,240.7 ; 215.8,9.3 v1(215.8,11)
  Top Layer w0.25: U1.43@119.25,163.75 121.25,163.75 v1(121.5,164)
  Mid-Top Layer w0.2: v1(11,34.2) 32.6,34.2 v2(33,34.6) ; v1(34.2,239) 34.2,217.4 v2(34.6,217) ; 215.8,32.6 v2(215.4,33) 215.8,32.6 ; 215.8,32.6 v1(215.8,11) 215.8,32.6 ; 217.4,215.8 v2(217,215.4) 217.4,215.8 ; 217.4,215.8 v1(239,215.8) 217.4,215.8
  Mid-Top Layer w0.25: v1(159,239) 159,231.5 160,230.5 160,219.5 159,218.5 159,174.5 v1(159.5,174)
  Mid-Bottom Layer w0.25: v1(121.5,164) 123.067,164 124,164.933 125.067,164.933 128.975,168.841 128.975,172.675 129.8,173.5 159,173.5 v1(159.5,174)
  other v1: 152.2,239
RPMF1: J12.2
RPMF2: J13.2
RPMF3: J14.2
RPMF4: J15.2